# KiCad board rabbit_mask.kicad_pcb (continued)
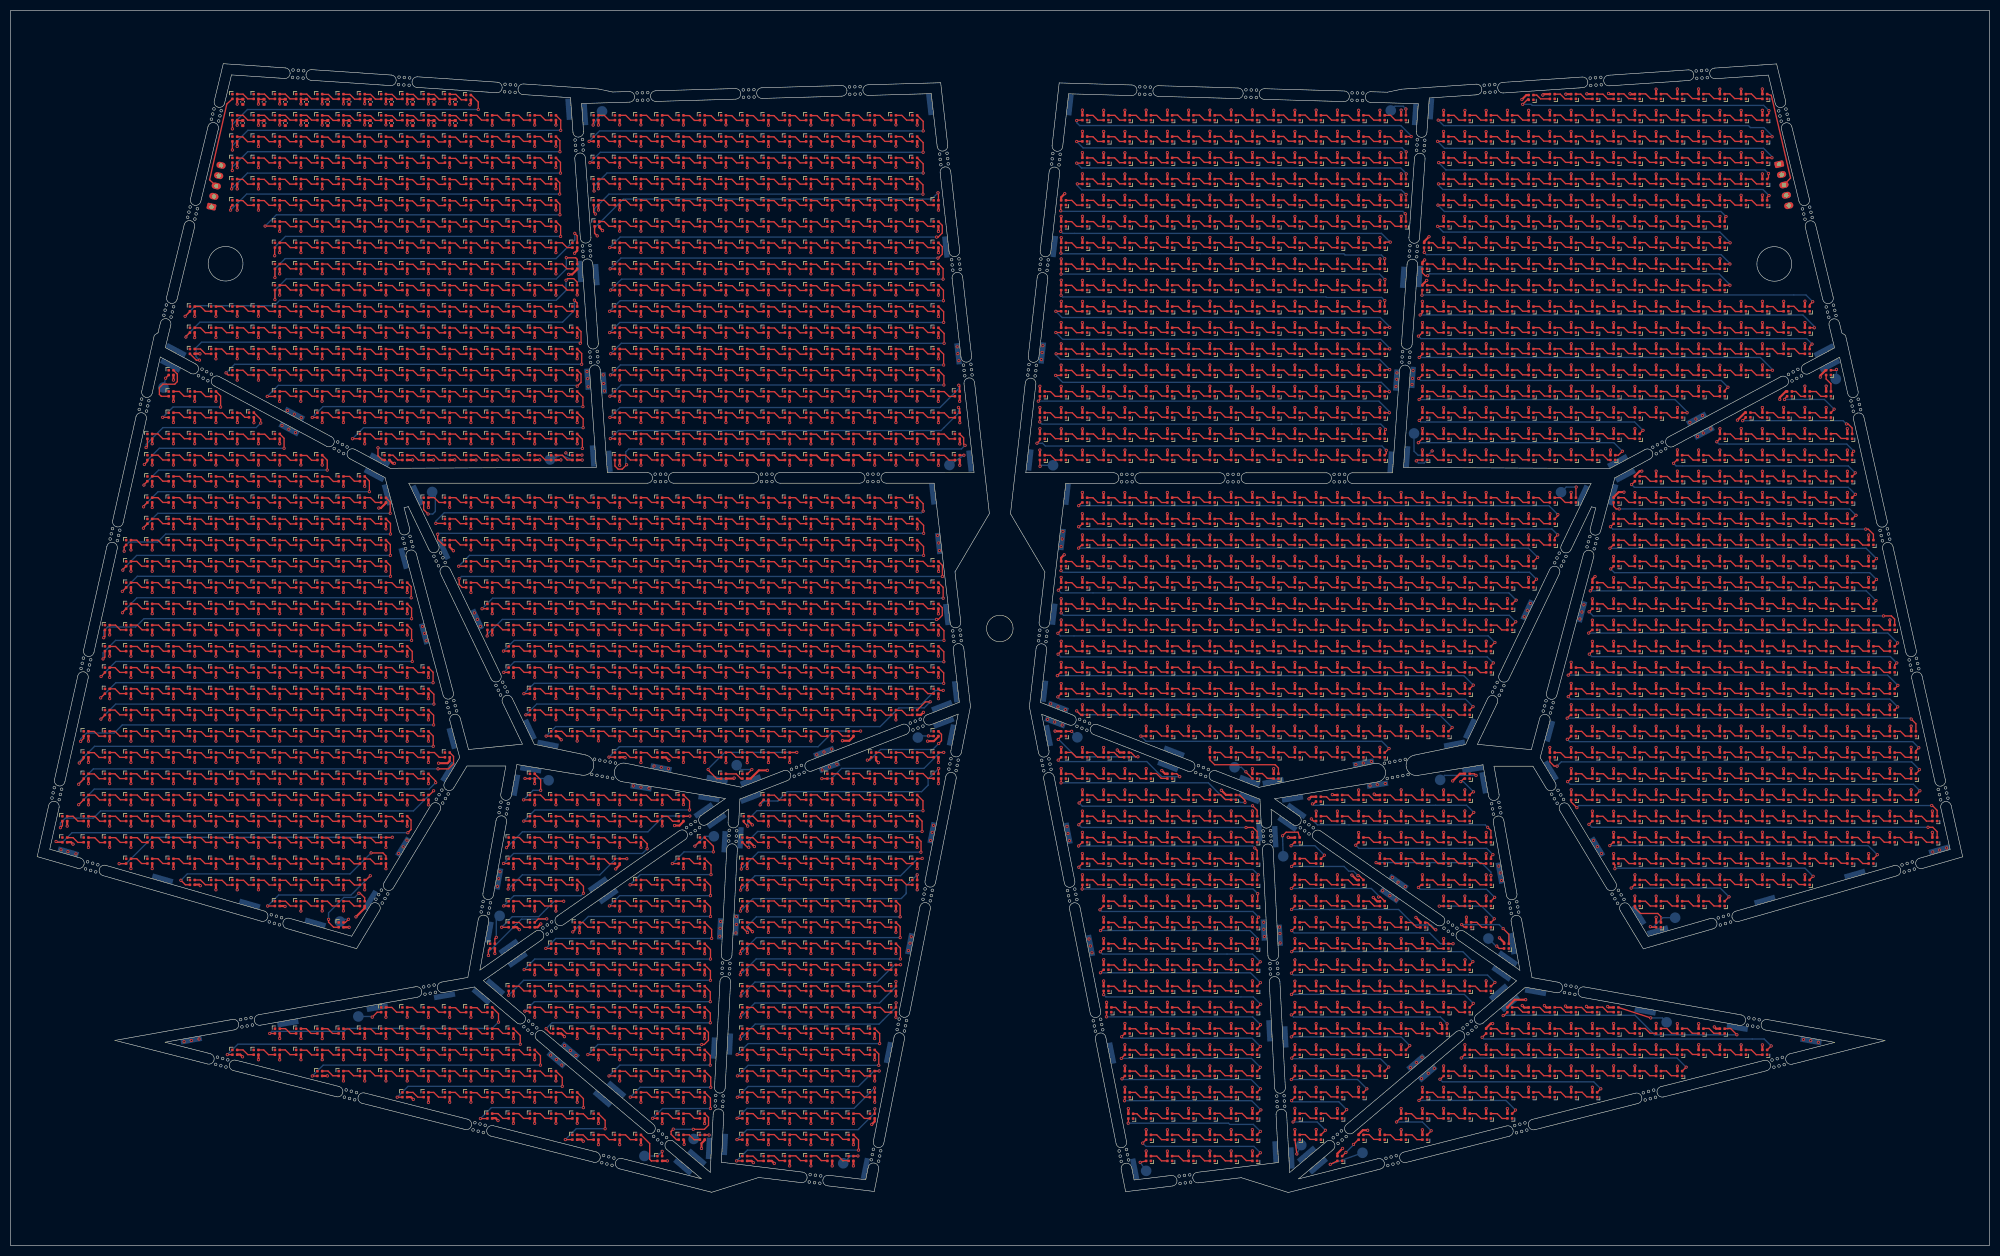
[diagram p0: board, top side]
## Placement (name value [footprint] x y rotation side) (continued)
D2555  SK6812-1515  [LED_SK6812_EC15_1.5x1.5mm]  322.2 88.36 180 top
D2556  SK6812-1515  [LED_SK6812_EC15_1.5x1.5mm]  326.2 88.36 180 top
D2557  SK6812-1515  [LED_SK6812_EC15_1.5x1.5mm]  330.2 88.36 180 top
D2558  SK6812-1515  [LED_SK6812_EC15_1.5x1.5mm]  334.2 88.36 180 top
D2559  SK6812-1515  [LED_SK6812_EC15_1.5x1.5mm]  338.2 88.36 180 top
D2560  SK6812-1515  [LED_SK6812_EC15_1.5x1.5mm]  342.2 88.36 180 top
D2561  SK6812-1515  [LED_SK6812_EC15_1.5x1.5mm]  346.2 88.36 180 top
D2562  SK6812-1515  [LED_SK6812_EC15_1.5x1.5mm]  350.2 88.36 180 top
D2563  SK6812-1515  [LED_SK6812_EC15_1.5x1.5mm]  354.2 88.36 180 top
D2564  SK6812-1515  [LED_SK6812_EC15_1.5x1.5mm]  358.2 88.36 180 top
D2565  SK6812-1515  [LED_SK6812_EC15_1.5x1.5mm]  202.2 84.36 180 top
D2566  SK6812-1515  [LED_SK6812_EC15_1.5x1.5mm]  206.2 84.36 180 top
D2567  SK6812-1515  [LED_SK6812_EC15_1.5x1.5mm]  210.2 84.36 180 top
D2568  SK6812-1515  [LED_SK6812_EC15_1.5x1.5mm]  214.2 84.36 180 top
D2569  SK6812-1515  [LED_SK6812_EC15_1.5x1.5mm]  218.2 84.36 180 top
D2570  SK6812-1515  [LED_SK6812_EC15_1.5x1.5mm]  222.2 84.36 180 top
D2571  SK6812-1515  [LED_SK6812_EC15_1.5x1.5mm]  226.2 84.36 180 top
D2572  SK6812-1515  [LED_SK6812_EC15_1.5x1.5mm]  230.2 84.36 180 top
D2573  SK6812-1515  [LED_SK6812_EC15_1.5x1.5mm]  246.18 84.04 180 top
D2574  SK6812-1515  [LED_SK6812_EC15_1.5x1.5mm]  250.2 84.36 180 top
D2575  SK6812-1515  [LED_SK6812_EC15_1.5x1.5mm]  254.2 84.36 180 top
D2576  SK6812-1515  [LED_SK6812_EC15_1.5x1.5mm]  258.2 84.36 180 top
D2577  SK6812-1515  [LED_SK6812_EC15_1.5x1.5mm]  262.2 84.36 180 top
D2578  SK6812-1515  [LED_SK6812_EC15_1.5x1.5mm]  266.2 84.36 180 top
D2579  SK6812-1515  [LED_SK6812_EC15_1.5x1.5mm]  270.2 84.36 180 top
D2580  SK6812-1515  [LED_SK6812_EC15_1.5x1.5mm]  274.2 84.36 180 top
D2581  SK6812-1515  [LED_SK6812_EC15_1.5x1.5mm]  294.2 84.36 180 top
D2582  SK6812-1515  [LED_SK6812_EC15_1.5x1.5mm]  298.2 84.36 180 top
D2583  SK6812-1515  [LED_SK6812_EC15_1.5x1.5mm]  302.2 84.36 180 top
D2584  SK6812-1515  [LED_SK6812_EC15_1.5x1.5mm]  306.2 84.36 180 top
D2585  SK6812-1515  [LED_SK6812_EC15_1.5x1.5mm]  310.2 84.36 180 top
D2586  SK6812-1515  [LED_SK6812_EC15_1.5x1.5mm]  314.2 84.36 180 top
D2587  SK6812-1515  [LED_SK6812_EC15_1.5x1.5mm]  318.2 84.36 180 top
D2588  SK6812-1515  [LED_SK6812_EC15_1.5x1.5mm]  322.2 84.36 180 top
D2589  SK6812-1515  [LED_SK6812_EC15_1.5x1.5mm]  326.2 84.36 180 top
D2590  SK6812-1515  [LED_SK6812_EC15_1.5x1.5mm]  330.2 84.36 180 top
D2591  SK6812-1515  [LED_SK6812_EC15_1.5x1.5mm]  334.2 84.36 180 top
D2592  SK6812-1515  [LED_SK6812_EC15_1.5x1.5mm]  338.2 84.36 180 top
D2593  SK6812-1515  [LED_SK6812_EC15_1.5x1.5mm]  342.2 84.36 180 top
D2594  SK6812-1515  [LED_SK6812_EC15_1.5x1.5mm]  346.2 84.36 180 top
D2595  SK6812-1515  [LED_SK6812_EC15_1.5x1.5mm]  350.2 84.36 180 top
D2596  SK6812-1515  [LED_SK6812_EC15_1.5x1.5mm]  354.2 84.36 180 top
D2597  SK6812-1515  [LED_SK6812_EC15_1.5x1.5mm]  358.2 84.36 180 top
D2598  SK6812-1515  [LED_SK6812_EC15_1.5x1.5mm]  202.2 80.36 180 top
D2599  SK6812-1515  [LED_SK6812_EC15_1.5x1.5mm]  206.2 80.36 180 top
D2600  SK6812-1515  [LED_SK6812_EC15_1.5x1.5mm]  210.2 80.36 180 top
D2601  SK6812-1515  [LED_SK6812_EC15_1.5x1.5mm]  214.2 80.36 180 top
D2602  SK6812-1515  [LED_SK6812_EC15_1.5x1.5mm]  218.2 80.36 180 top
D2603  SK6812-1515  [LED_SK6812_EC15_1.5x1.5mm]  222.2 80.36 180 top
D2604  SK6812-1515  [LED_SK6812_EC15_1.5x1.5mm]  226.2 80.36 180 top
D2605  SK6812-1515  [LED_SK6812_EC15_1.5x1.5mm]  230.2 80.36 180 top
D2606  SK6812-1515  [LED_SK6812_EC15_1.5x1.5mm]  234.2 80.36 180 top
D2607  SK6812-1515  [LED_SK6812_EC15_1.5x1.5mm]  246.2 80.36 180 top
D2608  SK6812-1515  [LED_SK6812_EC15_1.5x1.5mm]  250.2 80.36 180 top
D2609  SK6812-1515  [LED_SK6812_EC15_1.5x1.5mm]  254.2 80.36 180 top
D2610  SK6812-1515  [LED_SK6812_EC15_1.5x1.5mm]  258.2 80.36 180 top
D2611  SK6812-1515  [LED_SK6812_EC15_1.5x1.5mm]  262.2 80.36 180 top
D2612  SK6812-1515  [LED_SK6812_EC15_1.5x1.5mm]  266.2 80.36 180 top
D2613  SK6812-1515  [LED_SK6812_EC15_1.5x1.5mm]  270.2 80.36 180 top
D2614  SK6812-1515  [LED_SK6812_EC15_1.5x1.5mm]  274.2 80.36 180 top
D2615  SK6812-1515  [LED_SK6812_EC15_1.5x1.5mm]  298.2 80.36 180 top
D2616  SK6812-1515  [LED_SK6812_EC15_1.5x1.5mm]  302.2 80.36 180 top
D2617  SK6812-1515  [LED_SK6812_EC15_1.5x1.5mm]  306.2 80.36 180 top
D2618  SK6812-1515  [LED_SK6812_EC15_1.5x1.5mm]  310.2 80.36 180 top
D2619  SK6812-1515  [LED_SK6812_EC15_1.5x1.5mm]  314.2 80.36 180 top
D2620  SK6812-1515  [LED_SK6812_EC15_1.5x1.5mm]  318.2 80.36 180 top
D2621  SK6812-1515  [LED_SK6812_EC15_1.5x1.5mm]  322.2 80.36 180 top
D2622  SK6812-1515  [LED_SK6812_EC15_1.5x1.5mm]  326.2 80.36 180 top
D2623  SK6812-1515  [LED_SK6812_EC15_1.5x1.5mm]  330.2 80.36 180 top
D2624  SK6812-1515  [LED_SK6812_EC15_1.5x1.5mm]  334.2 80.36 180 top
D2625  SK6812-1515  [LED_SK6812_EC15_1.5x1.5mm]  338.2 80.36 180 top
D2626  SK6812-1515  [LED_SK6812_EC15_1.5x1.5mm]  342.2 80.36 180 top
D2627  SK6812-1515  [LED_SK6812_EC15_1.5x1.5mm]  346.2 80.36 180 top
D2628  SK6812-1515  [LED_SK6812_EC15_1.5x1.5mm]  350.2 80.36 180 top
D2629  SK6812-1515  [LED_SK6812_EC15_1.5x1.5mm]  354.2 80.36 180 top
D2630  SK6812-1515  [LED_SK6812_EC15_1.5x1.5mm]  358.2 80.36 180 top
D2631  SK6812-1515  [LED_SK6812_EC15_1.5x1.5mm]  362.2 80.36 180 top
D2632  SK6812-1515  [LED_SK6812_EC15_1.5x1.5mm]  202.2 76.36 180 top
D2633  SK6812-1515  [LED_SK6812_EC15_1.5x1.5mm]  206.2 76.36 180 top
D2634  SK6812-1515  [LED_SK6812_EC15_1.5x1.5mm]  210.2 76.36 180 top
D2635  SK6812-1515  [LED_SK6812_EC15_1.5x1.5mm]  214.2 76.36 180 top
D2636  SK6812-1515  [LED_SK6812_EC15_1.5x1.5mm]  218.2 76.36 180 top
D2637  SK6812-1515  [LED_SK6812_EC15_1.5x1.5mm]  222.2 76.36 180 top
D2638  SK6812-1515  [LED_SK6812_EC15_1.5x1.5mm]  226.2 76.36 180 top
D2639  SK6812-1515  [LED_SK6812_EC15_1.5x1.5mm]  230.2 76.36 180 top
D2640  SK6812-1515  [LED_SK6812_EC15_1.5x1.5mm]  234.2 76.36 180 top
D2641  SK6812-1515  [LED_SK6812_EC15_1.5x1.5mm]  242.2 76.36 180 top
D2642  SK6812-1515  [LED_SK6812_EC15_1.5x1.5mm]  254.2 76.36 180 top
D2643  SK6812-1515  [LED_SK6812_EC15_1.5x1.5mm]  258.2 76.36 180 top
D2644  SK6812-1515  [LED_SK6812_EC15_1.5x1.5mm]  262.2 76.36 180 top
D2645  SK6812-1515  [LED_SK6812_EC15_1.5x1.5mm]  266.2 76.36 180 top
D2646  SK6812-1515  [LED_SK6812_EC15_1.5x1.5mm]  270.2 76.36 180 top
D2647  SK6812-1515  [LED_SK6812_EC15_1.5x1.5mm]  274.2 76.36 180 top
D2648  SK6812-1515  [LED_SK6812_EC15_1.5x1.5mm]  278.2 76.36 180 top
D2649  SK6812-1515  [LED_SK6812_EC15_1.5x1.5mm]  302.2 76.36 180 top
D2650  SK6812-1515  [LED_SK6812_EC15_1.5x1.5mm]  306.2 76.36 180 top
D2651  SK6812-1515  [LED_SK6812_EC15_1.5x1.5mm]  310.2 76.36 180 top
D2652  SK6812-1515  [LED_SK6812_EC15_1.5x1.5mm]  314.2 76.36 180 top
D2653  SK6812-1515  [LED_SK6812_EC15_1.5x1.5mm]  318.2 76.36 180 top
D2654  SK6812-1515  [LED_SK6812_EC15_1.5x1.5mm]  322.2 76.36 180 top
D2655  SK6812-1515  [LED_SK6812_EC15_1.5x1.5mm]  326.2 76.36 180 top
D2656  SK6812-1515  [LED_SK6812_EC15_1.5x1.5mm]  330.2 76.36 180 top
D2657  SK6812-1515  [LED_SK6812_EC15_1.5x1.5mm]  334.2 76.36 180 top
D2658  SK6812-1515  [LED_SK6812_EC15_1.5x1.5mm]  338.2 76.36 180 top
D2659  SK6812-1515  [LED_SK6812_EC15_1.5x1.5mm]  342.2 76.36 180 top
D2660  SK6812-1515  [LED_SK6812_EC15_1.5x1.5mm]  346.2 76.36 180 top
D2661  SK6812-1515  [LED_SK6812_EC15_1.5x1.5mm]  350.2 76.36 180 top
D2662  SK6812-1515  [LED_SK6812_EC15_1.5x1.5mm]  354.2 76.36 180 top
D2663  SK6812-1515  [LED_SK6812_EC15_1.5x1.5mm]  358.2 76.36 180 top
D2664  SK6812-1515  [LED_SK6812_EC15_1.5x1.5mm]  362.2 76.36 180 top
D2665  SK6812-1515  [LED_SK6812_EC15_1.5x1.5mm]  202.2 72.36 180 top
D2666  SK6812-1515  [LED_SK6812_EC15_1.5x1.5mm]  206.2 72.36 180 top
D2667  SK6812-1515  [LED_SK6812_EC15_1.5x1.5mm]  210.2 72.36 180 top
D2668  SK6812-1515  [LED_SK6812_EC15_1.5x1.5mm]  214.2 72.36 180 top
D2669  SK6812-1515  [LED_SK6812_EC15_1.5x1.5mm]  218.2 72.36 180 top
D2670  SK6812-1515  [LED_SK6812_EC15_1.5x1.5mm]  222.2 72.36 180 top
D2671  SK6812-1515  [LED_SK6812_EC15_1.5x1.5mm]  226.2 72.36 180 top
D2672  SK6812-1515  [LED_SK6812_EC15_1.5x1.5mm]  230.2 72.36 180 top
D2673  SK6812-1515  [LED_SK6812_EC15_1.5x1.5mm]  234.2 72.36 180 top
D2674  SK6812-1515  [LED_SK6812_EC15_1.5x1.5mm]  242.2 72.36 180 top
D2675  SK6812-1515  [LED_SK6812_EC15_1.5x1.5mm]  246.2 72.36 180 top
D2676  SK6812-1515  [LED_SK6812_EC15_1.5x1.5mm]  258.2 72.36 180 top
D2677  SK6812-1515  [LED_SK6812_EC15_1.5x1.5mm]  262.2 72.36 180 top
D2678  SK6812-1515  [LED_SK6812_EC15_1.5x1.5mm]  266.2 72.36 180 top
D2679  SK6812-1515  [LED_SK6812_EC15_1.5x1.5mm]  270.2 72.36 180 top
D2680  SK6812-1515  [LED_SK6812_EC15_1.5x1.5mm]  274.2 72.36 180 top
D2681  SK6812-1515  [LED_SK6812_EC15_1.5x1.5mm]  278.2 72.36 180 top
D2682  SK6812-1515  [LED_SK6812_EC15_1.5x1.5mm]  302.2 72.36 180 top
D2683  SK6812-1515  [LED_SK6812_EC15_1.5x1.5mm]  306.2 72.36 180 top
D2684  SK6812-1515  [LED_SK6812_EC15_1.5x1.5mm]  310.2 72.36 180 top
D2685  SK6812-1515  [LED_SK6812_EC15_1.5x1.5mm]  314.2 72.36 180 top
D2686  SK6812-1515  [LED_SK6812_EC15_1.5x1.5mm]  318.2 72.36 180 top
D2687  SK6812-1515  [LED_SK6812_EC15_1.5x1.5mm]  322.2 72.36 180 top
D2688  SK6812-1515  [LED_SK6812_EC15_1.5x1.5mm]  326.2 72.36 180 top
D2689  SK6812-1515  [LED_SK6812_EC15_1.5x1.5mm]  330.2 72.36 180 top
D2690  SK6812-1515  [LED_SK6812_EC15_1.5x1.5mm]  334.2 72.36 180 top
D2691  SK6812-1515  [LED_SK6812_EC15_1.5x1.5mm]  338.2 72.36 180 top
D2692  SK6812-1515  [LED_SK6812_EC15_1.5x1.5mm]  342.2 72.36 180 top
D2693  SK6812-1515  [LED_SK6812_EC15_1.5x1.5mm]  346.2 72.36 180 top
D2694  SK6812-1515  [LED_SK6812_EC15_1.5x1.5mm]  350.2 72.36 180 top
D2695  SK6812-1515  [LED_SK6812_EC15_1.5x1.5mm]  202.2 68.36 180 top
D2696  SK6812-1515  [LED_SK6812_EC15_1.5x1.5mm]  206.2 68.36 180 top
D2697  SK6812-1515  [LED_SK6812_EC15_1.5x1.5mm]  210.2 68.36 180 top
D2698  SK6812-1515  [LED_SK6812_EC15_1.5x1.5mm]  214.2 68.36 180 top
D2699  SK6812-1515  [LED_SK6812_EC15_1.5x1.5mm]  218.2 68.36 180 top
D2700  SK6812-1515  [LED_SK6812_EC15_1.5x1.5mm]  222.2 68.36 180 top
D2701  SK6812-1515  [LED_SK6812_EC15_1.5x1.5mm]  226.2 68.36 180 top
D2702  SK6812-1515  [LED_SK6812_EC15_1.5x1.5mm]  230.2 68.36 180 top
D2703  SK6812-1515  [LED_SK6812_EC15_1.5x1.5mm]  234.2 68.36 180 top
D2704  SK6812-1515  [LED_SK6812_EC15_1.5x1.5mm]  242.2 68.36 180 top
D2705  SK6812-1515  [LED_SK6812_EC15_1.5x1.5mm]  246.2 68.36 180 top
D2706  SK6812-1515  [LED_SK6812_EC15_1.5x1.5mm]  250.2 68.36 180 top
D2707  SK6812-1515  [LED_SK6812_EC15_1.5x1.5mm]  254.2 68.36 180 top
D2708  SK6812-1515  [LED_SK6812_EC15_1.5x1.5mm]  266.2 68.36 180 top
D2709  SK6812-1515  [LED_SK6812_EC15_1.5x1.5mm]  270.2 68.36 180 top
D2710  SK6812-1515  [LED_SK6812_EC15_1.5x1.5mm]  274.2 68.36 180 top
D2711  SK6812-1515  [LED_SK6812_EC15_1.5x1.5mm]  278.2 68.36 180 top
D2712  SK6812-1515  [LED_SK6812_EC15_1.5x1.5mm]  306.2 68.36 180 top
D2713  SK6812-1515  [LED_SK6812_EC15_1.5x1.5mm]  310.2 68.36 180 top
D2714  SK6812-1515  [LED_SK6812_EC15_1.5x1.5mm]  314.2 68.36 180 top
D2715  SK6812-1515  [LED_SK6812_EC15_1.5x1.5mm]  318.2 68.36 180 top
D2716  SK6812-1515  [LED_SK6812_EC15_1.5x1.5mm]  322.2 68.36 180 top
D2717  SK6812-1515  [LED_SK6812_EC15_1.5x1.5mm]  326.2 68.36 180 top
D2718  SK6812-1515  [LED_SK6812_EC15_1.5x1.5mm]  330.2 68.36 180 top
D2719  SK6812-1515  [LED_SK6812_EC15_1.5x1.5mm]  334.2 68.36 180 top
D2720  SK6812-1515  [LED_SK6812_EC15_1.5x1.5mm]  338.2 68.36 180 top
D2721  SK6812-1515  [LED_SK6812_EC15_1.5x1.5mm]  206.2 64.36 180 top
D2722  SK6812-1515  [LED_SK6812_EC15_1.5x1.5mm]  210.2 64.36 180 top
D2723  SK6812-1515  [LED_SK6812_EC15_1.5x1.5mm]  214.2 64.36 180 top
D2724  SK6812-1515  [LED_SK6812_EC15_1.5x1.5mm]  218.2 64.36 180 top
D2725  SK6812-1515  [LED_SK6812_EC15_1.5x1.5mm]  222.2 64.36 180 top
D2726  SK6812-1515  [LED_SK6812_EC15_1.5x1.5mm]  226.2 64.36 180 top
D2727  SK6812-1515  [LED_SK6812_EC15_1.5x1.5mm]  230.2 64.36 180 top
D2728  SK6812-1515  [LED_SK6812_EC15_1.5x1.5mm]  234.2 64.36 180 top
D2729  SK6812-1515  [LED_SK6812_EC15_1.5x1.5mm]  242.2 64.36 180 top
D2730  SK6812-1515  [LED_SK6812_EC15_1.5x1.5mm]  246.2 64.36 180 top
D2731  SK6812-1515  [LED_SK6812_EC15_1.5x1.5mm]  250.2 64.36 180 top
D2732  SK6812-1515  [LED_SK6812_EC15_1.5x1.5mm]  254.2 64.36 180 top
D2733  SK6812-1515  [LED_SK6812_EC15_1.5x1.5mm]  258.2 64.36 180 top
D2734  SK6812-1515  [LED_SK6812_EC15_1.5x1.5mm]  270.2 64.36 180 top
D2735  SK6812-1515  [LED_SK6812_EC15_1.5x1.5mm]  274.2 64.36 180 top
D2736  SK6812-1515  [LED_SK6812_EC15_1.5x1.5mm]  278.2 64.36 180 top
D2737  SK6812-1515  [LED_SK6812_EC15_1.5x1.5mm]  306.2 64.36 180 top
D2738  SK6812-1515  [LED_SK6812_EC15_1.5x1.5mm]  310.2 64.36 180 top
D2739  SK6812-1515  [LED_SK6812_EC15_1.5x1.5mm]  314.2 64.36 180 top
D2740  SK6812-1515  [LED_SK6812_EC15_1.5x1.5mm]  318.2 64.36 180 top
D2741  SK6812-1515  [LED_SK6812_EC15_1.5x1.5mm]  322.2 64.36 180 top
D2742  SK6812-1515  [LED_SK6812_EC15_1.5x1.5mm]  206.2 60.36 180 top
D2743  SK6812-1515  [LED_SK6812_EC15_1.5x1.5mm]  210.2 60.36 180 top
D2744  SK6812-1515  [LED_SK6812_EC15_1.5x1.5mm]  214.2 60.36 180 top
D2745  SK6812-1515  [LED_SK6812_EC15_1.5x1.5mm]  218.2 60.36 180 top
D2746  SK6812-1515  [LED_SK6812_EC15_1.5x1.5mm]  222.2 60.36 180 top
D2747  SK6812-1515  [LED_SK6812_EC15_1.5x1.5mm]  226.2 60.36 180 top
D2748  SK6812-1515  [LED_SK6812_EC15_1.5x1.5mm]  230.2 60.36 180 top
D2749  SK6812-1515  [LED_SK6812_EC15_1.5x1.5mm]  234.2 60.36 180 top
D2750  SK6812-1515  [LED_SK6812_EC15_1.5x1.5mm]  242.2 60.36 180 top
D2751  SK6812-1515  [LED_SK6812_EC15_1.5x1.5mm]  246.2 60.36 180 top
D2752  SK6812-1515  [LED_SK6812_EC15_1.5x1.5mm]  250.2 60.36 180 top
D2753  SK6812-1515  [LED_SK6812_EC15_1.5x1.5mm]  254.2 60.36 180 top
D2754  SK6812-1515  [LED_SK6812_EC15_1.5x1.5mm]  258.2 60.36 180 top
D2755  SK6812-1515  [LED_SK6812_EC15_1.5x1.5mm]  262.2 60.36 180 top
D2756  SK6812-1515  [LED_SK6812_EC15_1.5x1.5mm]  265.82 60.34 180 top
D2757  SK6812-1515  [LED_SK6812_EC15_1.5x1.5mm]  274.47 60.39 180 top
D2758  SK6812-1515  [LED_SK6812_EC15_1.5x1.5mm]  278.2 60.36 180 top
D2759  SK6812-1515  [LED_SK6812_EC15_1.5x1.5mm]  310.2 60.36 180 top
D2760  SK6812-1515  [LED_SK6812_EC15_1.5x1.5mm]  206.2 56.36 180 top
D2761  SK6812-1515  [LED_SK6812_EC15_1.5x1.5mm]  210.2 56.36 180 top
D2762  SK6812-1515  [LED_SK6812_EC15_1.5x1.5mm]  214.2 56.36 180 top
D2763  SK6812-1515  [LED_SK6812_EC15_1.5x1.5mm]  218.2 56.36 180 top
D2764  SK6812-1515  [LED_SK6812_EC15_1.5x1.5mm]  222.2 56.36 180 top
D2765  SK6812-1515  [LED_SK6812_EC15_1.5x1.5mm]  226.2 56.36 180 top
D2766  SK6812-1515  [LED_SK6812_EC15_1.5x1.5mm]  230.2 56.36 180 top
D2767  SK6812-1515  [LED_SK6812_EC15_1.5x1.5mm]  234.2 56.36 180 top
D2768  SK6812-1515  [LED_SK6812_EC15_1.5x1.5mm]  242.22 56.39 180 top
D2769  SK6812-1515  [LED_SK6812_EC15_1.5x1.5mm]  246.22 56.39 180 top
D2770  SK6812-1515  [LED_SK6812_EC15_1.5x1.5mm]  250.22 56.39 180 top
D2771  SK6812-1515  [LED_SK6812_EC15_1.5x1.5mm]  254.22 56.39 180 top
D2772  SK6812-1515  [LED_SK6812_EC15_1.5x1.5mm]  258.22 56.39 180 top
D2773  SK6812-1515  [LED_SK6812_EC15_1.5x1.5mm]  262.22 56.39 180 top
D2774  SK6812-1515  [LED_SK6812_EC15_1.5x1.5mm]  266.22 56.39 180 top
D2775  SK6812-1515  [LED_SK6812_EC15_1.5x1.5mm]  270.2 56.36 180 top
D2776  SK6812-1515  [LED_SK6812_EC15_1.5x1.5mm]  281.57 56.36 180 top
D2777  SK6812-1515  [LED_SK6812_EC15_1.5x1.5mm]  206.2 52.36 180 top
D2778  SK6812-1515  [LED_SK6812_EC15_1.5x1.5mm]  210.2 52.36 180 top
D2779  SK6812-1515  [LED_SK6812_EC15_1.5x1.5mm]  214.2 52.36 180 top
D2780  SK6812-1515  [LED_SK6812_EC15_1.5x1.5mm]  218.2 52.36 180 top
D2781  SK6812-1515  [LED_SK6812_EC15_1.5x1.5mm]  222.2 52.36 180 top
D2782  SK6812-1515  [LED_SK6812_EC15_1.5x1.5mm]  226.2 52.36 180 top
D2783  SK6812-1515  [LED_SK6812_EC15_1.5x1.5mm]  230.2 52.36 180 top
D2784  SK6812-1515  [LED_SK6812_EC15_1.5x1.5mm]  234.2 52.36 180 top
D2785  SK6812-1515  [LED_SK6812_EC15_1.5x1.5mm]  242.2 52.36 180 top
D2786  SK6812-1515  [LED_SK6812_EC15_1.5x1.5mm]  246.2 52.36 180 top
D2787  SK6812-1515  [LED_SK6812_EC15_1.5x1.5mm]  250.2 52.36 180 top
D2788  SK6812-1515  [LED_SK6812_EC15_1.5x1.5mm]  254.2 52.36 180 top
D2789  SK6812-1515  [LED_SK6812_EC15_1.5x1.5mm]  258.2 52.36 180 top
D2790  SK6812-1515  [LED_SK6812_EC15_1.5x1.5mm]  262.2 52.36 180 top
D2791  SK6812-1515  [LED_SK6812_EC15_1.5x1.5mm]  266.2 52.36 180 top
D2792  SK6812-1515  [LED_SK6812_EC15_1.5x1.5mm]  270.2 52.36 180 top
D2793  SK6812-1515  [LED_SK6812_EC15_1.5x1.5mm]  274.2 52.36 180 top
D2794  SK6812-1515  [LED_SK6812_EC15_1.5x1.5mm]  206.2 48.36 180 top
D2795  SK6812-1515  [LED_SK6812_EC15_1.5x1.5mm]  210.2 48.36 180 top
D2796  SK6812-1515  [LED_SK6812_EC15_1.5x1.5mm]  214.2 48.36 180 top
D2797  SK6812-1515  [LED_SK6812_EC15_1.5x1.5mm]  218.2 48.36 180 top
D2798  SK6812-1515  [LED_SK6812_EC15_1.5x1.5mm]  222.2 48.36 180 top
D2799  SK6812-1515  [LED_SK6812_EC15_1.5x1.5mm]  226.2 48.36 180 top
D2800  SK6812-1515  [LED_SK6812_EC15_1.5x1.5mm]  230.2 48.36 180 top
D2801  SK6812-1515  [LED_SK6812_EC15_1.5x1.5mm]  234.2 48.36 180 top
D2802  SK6812-1515  [LED_SK6812_EC15_1.5x1.5mm]  242.2 48.36 180 top
D2803  SK6812-1515  [LED_SK6812_EC15_1.5x1.5mm]  246.2 48.36 180 top
D2804  SK6812-1515  [LED_SK6812_EC15_1.5x1.5mm]  250.2 48.36 180 top
D2805  SK6812-1515  [LED_SK6812_EC15_1.5x1.5mm]  254.2 48.36 180 top
D2806  SK6812-1515  [LED_SK6812_EC15_1.5x1.5mm]  258.2 48.36 180 top
D2807  SK6812-1515  [LED_SK6812_EC15_1.5x1.5mm]  262.2 48.36 180 top
D2808  SK6812-1515  [LED_SK6812_EC15_1.5x1.5mm]  266.2 48.36 180 top
D2809  SK6812-1515  [LED_SK6812_EC15_1.5x1.5mm]  270.2 48.36 180 top
D2810  SK6812-1515  [LED_SK6812_EC15_1.5x1.5mm]  274.2 48.36 180 top
D2811  SK6812-1515  [LED_SK6812_EC15_1.5x1.5mm]  278.2 48.36 180 top
D2812  SK6812-1515  [LED_SK6812_EC15_1.5x1.5mm]  206.75 44.36 180 top
D2813  SK6812-1515  [LED_SK6812_EC15_1.5x1.5mm]  210.2 44.36 180 top
D2814  SK6812-1515  [LED_SK6812_EC15_1.5x1.5mm]  214.2 44.36 180 top
D2815  SK6812-1515  [LED_SK6812_EC15_1.5x1.5mm]  218.2 44.36 180 top
D2816  SK6812-1515  [LED_SK6812_EC15_1.5x1.5mm]  222.2 44.36 180 top
D2817  SK6812-1515  [LED_SK6812_EC15_1.5x1.5mm]  226.2 44.36 180 top
D2818  SK6812-1515  [LED_SK6812_EC15_1.5x1.5mm]  230.2 44.36 180 top
D2819  SK6812-1515  [LED_SK6812_EC15_1.5x1.5mm]  234.2 44.36 180 top
D2820  SK6812-1515  [LED_SK6812_EC15_1.5x1.5mm]  242.2 44.36 180 top
D2821  SK6812-1515  [LED_SK6812_EC15_1.5x1.5mm]  246.2 44.36 180 top
D2822  SK6812-1515  [LED_SK6812_EC15_1.5x1.5mm]  250.2 44.36 180 top
D2823  SK6812-1515  [LED_SK6812_EC15_1.5x1.5mm]  254.2 44.36 180 top
D2824  SK6812-1515  [LED_SK6812_EC15_1.5x1.5mm]  258.2 44.36 180 top
D2825  SK6812-1515  [LED_SK6812_EC15_1.5x1.5mm]  262.2 44.36 180 top
D2826  SK6812-1515  [LED_SK6812_EC15_1.5x1.5mm]  266.2 44.36 180 top
D2827  SK6812-1515  [LED_SK6812_EC15_1.5x1.5mm]  270.2 44.36 180 top
D2828  SK6812-1515  [LED_SK6812_EC15_1.5x1.5mm]  274.2 44.36 180 top
D2829  SK6812-1515  [LED_SK6812_EC15_1.5x1.5mm]  282.2 44.36 180 top
D2830  SK6812-1515  [LED_SK6812_EC15_1.5x1.5mm]  286.2 44.36 180 top
D2831  SK6812-1515  [LED_SK6812_EC15_1.5x1.5mm]  290.2 44.36 180 top
D2832  SK6812-1515  [LED_SK6812_EC15_1.5x1.5mm]  294.2 44.36 180 top
D2833  SK6812-1515  [LED_SK6812_EC15_1.5x1.5mm]  298.2 44.36 180 top
D2834  SK6812-1515  [LED_SK6812_EC15_1.5x1.5mm]  302.2 44.36 180 top
D2835  SK6812-1515  [LED_SK6812_EC15_1.5x1.5mm]  210.2 40.36 180 top
D2836  SK6812-1515  [LED_SK6812_EC15_1.5x1.5mm]  214.2 40.36 180 top
D2837  SK6812-1515  [LED_SK6812_EC15_1.5x1.5mm]  218.2 40.36 180 top
D2838  SK6812-1515  [LED_SK6812_EC15_1.5x1.5mm]  222.2 40.36 180 top
D2839  SK6812-1515  [LED_SK6812_EC15_1.5x1.5mm]  226.2 40.36 180 top
D2840  SK6812-1515  [LED_SK6812_EC15_1.5x1.5mm]  230.2 40.36 180 top
D2841  SK6812-1515  [LED_SK6812_EC15_1.5x1.5mm]  234.2 40.36 180 top
D2842  SK6812-1515  [LED_SK6812_EC15_1.5x1.5mm]  242.2 40.36 180 top
D2843  SK6812-1515  [LED_SK6812_EC15_1.5x1.5mm]  246.2 40.36 180 top
D2844  SK6812-1515  [LED_SK6812_EC15_1.5x1.5mm]  250.2 40.36 180 top
D2845  SK6812-1515  [LED_SK6812_EC15_1.5x1.5mm]  254.2 40.36 180 top
D2846  SK6812-1515  [LED_SK6812_EC15_1.5x1.5mm]  258.2 40.36 180 top
D2847  SK6812-1515  [LED_SK6812_EC15_1.5x1.5mm]  262.2 40.36 180 top
D2848  SK6812-1515  [LED_SK6812_EC15_1.5x1.5mm]  266.2 40.36 180 top
D2849  SK6812-1515  [LED_SK6812_EC15_1.5x1.5mm]  269.93 40.36 180 top
D2850  SK6812-1515  [LED_SK6812_EC15_1.5x1.5mm]  278.2 40.36 180 top
D2851  SK6812-1515  [LED_SK6812_EC15_1.5x1.5mm]  282.2 40.36 180 top
D2852  SK6812-1515  [LED_SK6812_EC15_1.5x1.5mm]  286.2 40.36 180 top
D2853  SK6812-1515  [LED_SK6812_EC15_1.5x1.5mm]  290.2 40.36 180 top
D2854  SK6812-1515  [LED_SK6812_EC15_1.5x1.5mm]  294.2 40.36 180 top
D2855  SK6812-1515  [LED_SK6812_EC15_1.5x1.5mm]  298.2 40.36 180 top
D2856  SK6812-1515  [LED_SK6812_EC15_1.5x1.5mm]  302.2 40.36 180 top
D2857  SK6812-1515  [LED_SK6812_EC15_1.5x1.5mm]  306.2 40.36 180 top
D2858  SK6812-1515  [LED_SK6812_EC15_1.5x1.5mm]  310.2 40.36 180 top
D2859  SK6812-1515  [LED_SK6812_EC15_1.5x1.5mm]  314.2 40.36 180 top
D2860  SK6812-1515  [LED_SK6812_EC15_1.5x1.5mm]  318.2 40.36 180 top
D2861  SK6812-1515  [LED_SK6812_EC15_1.5x1.5mm]  322.2 40.36 180 top
D2862  SK6812-1515  [LED_SK6812_EC15_1.5x1.5mm]  210.2 36.36 180 top
D2863  SK6812-1515  [LED_SK6812_EC15_1.5x1.5mm]  214.2 36.36 180 top
D2864  SK6812-1515  [LED_SK6812_EC15_1.5x1.5mm]  218.2 36.36 180 top
D2865  SK6812-1515  [LED_SK6812_EC15_1.5x1.5mm]  222.2 36.36 180 top
D2866  SK6812-1515  [LED_SK6812_EC15_1.5x1.5mm]  226.2 36.36 180 top
D2867  SK6812-1515  [LED_SK6812_EC15_1.5x1.5mm]  230.2 36.36 180 top
D2868  SK6812-1515  [LED_SK6812_EC15_1.5x1.5mm]  234.2 36.36 180 top
D2869  SK6812-1515  [LED_SK6812_EC15_1.5x1.5mm]  242.2 36.36 180 top
D2870  SK6812-1515  [LED_SK6812_EC15_1.5x1.5mm]  246.2 36.36 180 top
D2871  SK6812-1515  [LED_SK6812_EC15_1.5x1.5mm]  250.2 36.36 180 top
D2872  SK6812-1515  [LED_SK6812_EC15_1.5x1.5mm]  254.2 36.36 180 top
D2873  SK6812-1515  [LED_SK6812_EC15_1.5x1.5mm]  258.2 36.36 180 top
D2874  SK6812-1515  [LED_SK6812_EC15_1.5x1.5mm]  262.2 36.36 180 top
D2875  SK6812-1515  [LED_SK6812_EC15_1.5x1.5mm]  274.2 36.36 180 top
D2876  SK6812-1515  [LED_SK6812_EC15_1.5x1.5mm]  278.2 36.36 180 top
D2877  SK6812-1515  [LED_SK6812_EC15_1.5x1.5mm]  282.2 36.36 180 top
D2878  SK6812-1515  [LED_SK6812_EC15_1.5x1.5mm]  286.2 36.36 180 top
D2879  SK6812-1515  [LED_SK6812_EC15_1.5x1.5mm]  290.2 36.36 180 top
D2880  SK6812-1515  [LED_SK6812_EC15_1.5x1.5mm]  294.2 36.36 180 top
D2881  SK6812-1515  [LED_SK6812_EC15_1.5x1.5mm]  298.2 36.36 180 top
D2882  SK6812-1515  [LED_SK6812_EC15_1.5x1.5mm]  302.2 36.36 180 top
D2883  SK6812-1515  [LED_SK6812_EC15_1.5x1.5mm]  306.2 36.36 180 top
D2884  SK6812-1515  [LED_SK6812_EC15_1.5x1.5mm]  310.2 36.36 180 top
D2885  SK6812-1515  [LED_SK6812_EC15_1.5x1.5mm]  314.2 36.36 180 top
D2886  SK6812-1515  [LED_SK6812_EC15_1.5x1.5mm]  318.2 36.36 180 top
D2887  SK6812-1515  [LED_SK6812_EC15_1.5x1.5mm]  322.2 36.36 180 top
D2888  SK6812-1515  [LED_SK6812_EC15_1.5x1.5mm]  326.2 36.36 180 top
D2889  SK6812-1515  [LED_SK6812_EC15_1.5x1.5mm]  330.2 36.36 180 top
D2890  SK6812-1515  [LED_SK6812_EC15_1.5x1.5mm]  210.2 32.36 180 top
D2891  SK6812-1515  [LED_SK6812_EC15_1.5x1.5mm]  214.2 32.36 180 top
D2892  SK6812-1515  [LED_SK6812_EC15_1.5x1.5mm]  218.2 32.36 180 top
D2893  SK6812-1515  [LED_SK6812_EC15_1.5x1.5mm]  222.2 32.36 180 top
D2894  SK6812-1515  [LED_SK6812_EC15_1.5x1.5mm]  226.2 32.36 180 top
D2895  SK6812-1515  [LED_SK6812_EC15_1.5x1.5mm]  230.2 32.36 180 top
D2896  SK6812-1515  [LED_SK6812_EC15_1.5x1.5mm]  234.2 32.36 180 top
D2897  SK6812-1515  [LED_SK6812_EC15_1.5x1.5mm]  242.2 32.36 180 top
D2898  SK6812-1515  [LED_SK6812_EC15_1.5x1.5mm]  246.2 32.36 180 top
D2899  SK6812-1515  [LED_SK6812_EC15_1.5x1.5mm]  250.2 32.36 180 top
D2900  SK6812-1515  [LED_SK6812_EC15_1.5x1.5mm]  254.2 32.36 180 top
D2901  SK6812-1515  [LED_SK6812_EC15_1.5x1.5mm]  258.2 32.36 180 top
D2902  SK6812-1515  [LED_SK6812_EC15_1.5x1.5mm]  270.2 32.36 180 top
D2903  SK6812-1515  [LED_SK6812_EC15_1.5x1.5mm]  274.2 32.36 180 top
D2904  SK6812-1515  [LED_SK6812_EC15_1.5x1.5mm]  278.2 32.36 180 top
D2905  SK6812-1515  [LED_SK6812_EC15_1.5x1.5mm]  282.2 32.36 180 top
D2906  SK6812-1515  [LED_SK6812_EC15_1.5x1.5mm]  286.2 32.36 180 top
D2907  SK6812-1515  [LED_SK6812_EC15_1.5x1.5mm]  290.2 32.36 180 top
D2908  SK6812-1515  [LED_SK6812_EC15_1.5x1.5mm]  294.2 32.36 180 top
D2909  SK6812-1515  [LED_SK6812_EC15_1.5x1.5mm]  298.2 32.36 180 top
D2910  SK6812-1515  [LED_SK6812_EC15_1.5x1.5mm]  302.2 32.36 180 top
D2911  SK6812-1515  [LED_SK6812_EC15_1.5x1.5mm]  306.2 32.36 180 top
D2912  SK6812-1515  [LED_SK6812_EC15_1.5x1.5mm]  310.2 32.36 180 top
D2913  SK6812-1515  [LED_SK6812_EC15_1.5x1.5mm]  314.2 32.36 180 top
D2914  SK6812-1515  [LED_SK6812_EC15_1.5x1.5mm]  210.2 28.36 180 top
D2915  SK6812-1515  [LED_SK6812_EC15_1.5x1.5mm]  214.2 28.36 180 top
